# Altium PCB micro thermometer.PcbDoc
Units mil, origin at the board's own origin, x right, y up, seen from the top; angles counter-clockwise.
Board outline 1495 x 470 mil, 2 copper layers (Top Layer, Bottom Layer); 28 components, 24 nets, 133 pads, 28 vias.
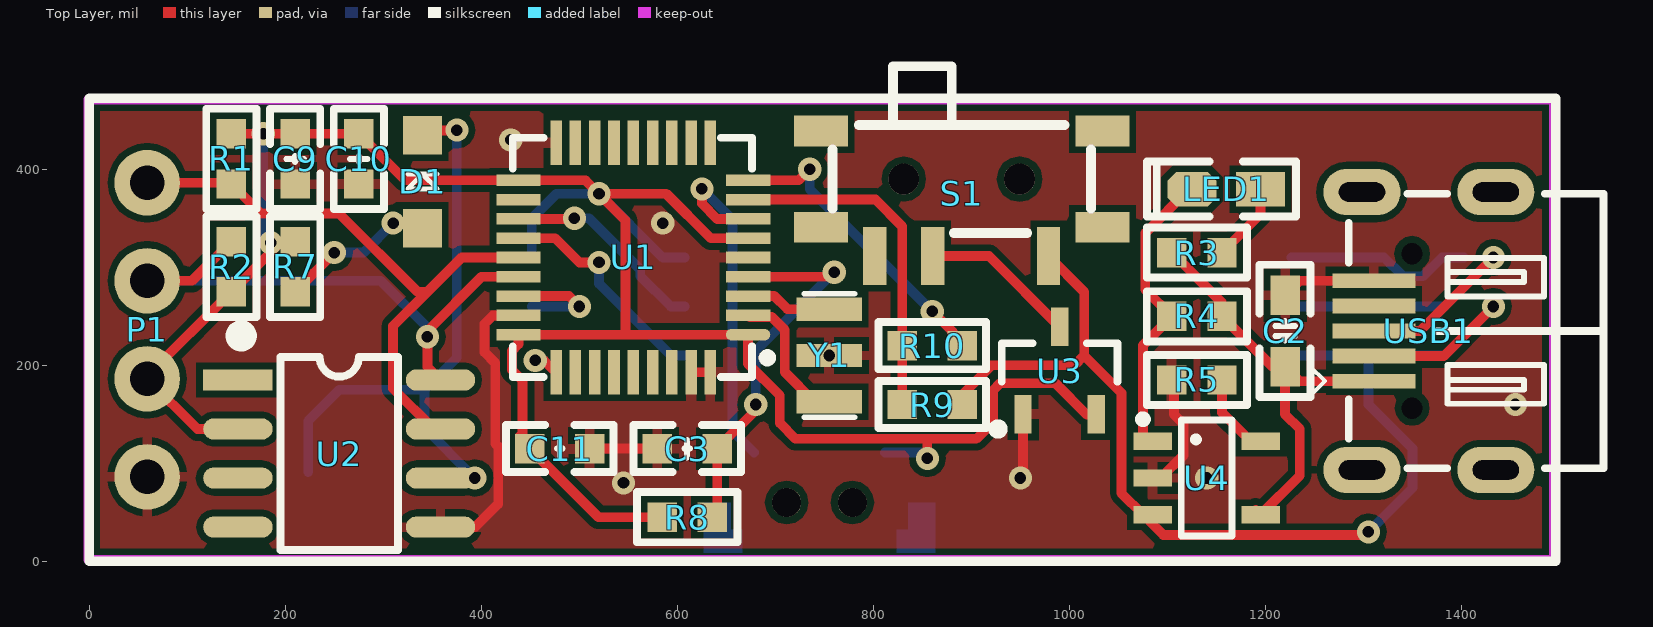
[diagram p0: Top Layer view]
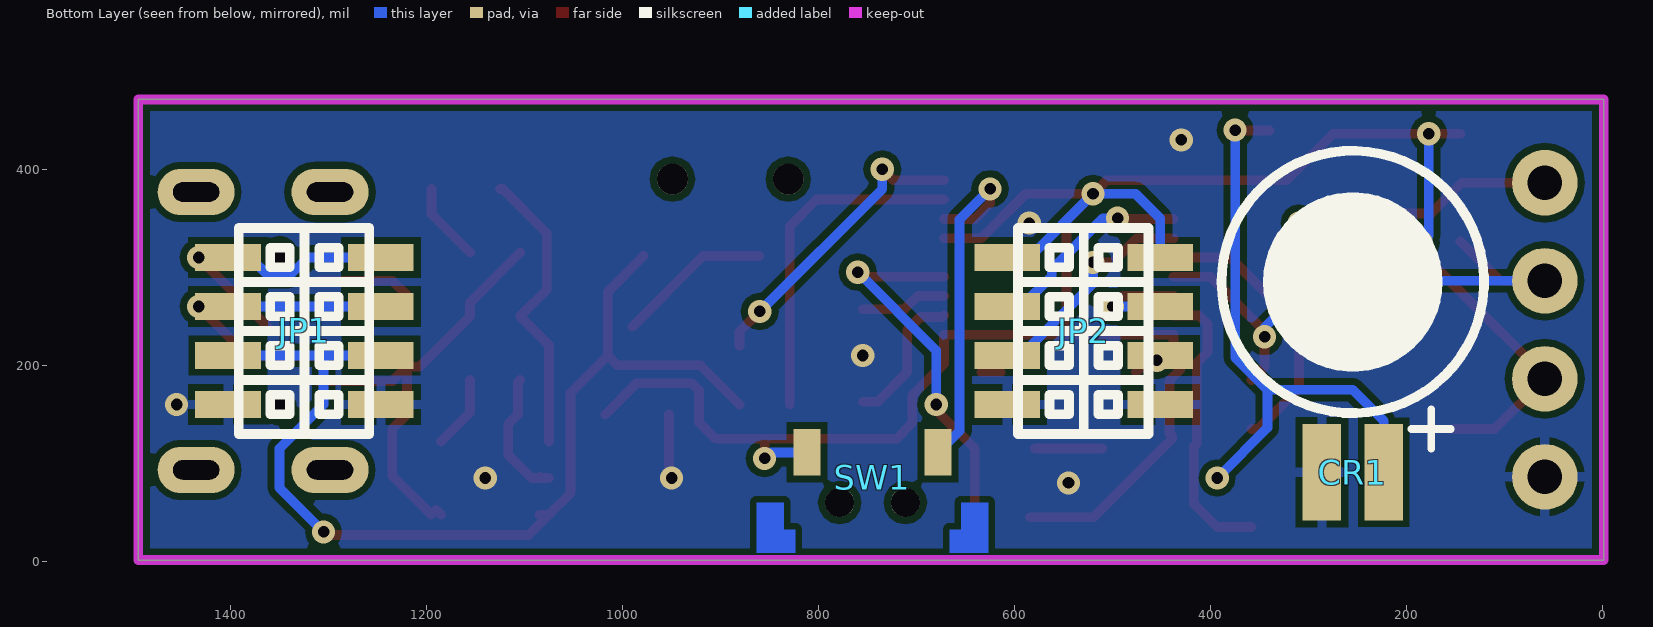
[diagram p1: Bottom Layer view, seen from below]

## Layer stack, top to bottom
Top Solder: solder mask 0.4, Solder Resist, Dk 3.5
Top Layer: signal copper 1.4
Dielectric 1: dielectric 12.6, FR-4, Dk 4.8
Bottom Layer: signal copper 1.4
Bottom Solder: solder mask 0.4, Solder Resist, Dk 3.5

## Board outline
-0.94,1.22 1494.06,1.22 1494.06,471.22 -0.94,471.22

## Design rules (kind name [scope] priority, off if disabled: settings)
Clearance [All] p1: gap=7
PlaneConnect [All] p1: planeconnectstyle=Relief reliefexpansion=20 reliefentries=4 reliefconductorwidth=10 reliefairgap=7
PolygonConnect PolygonConnect_2 [(InPadClass('All Pads')) vs IsNamedPolygon('Bottom Layer-No Net')] p1: connectstyle=Relief reliefconductorwidth=10 reliefentries=4 polygonreliefangle="90 Angle" airgapwidth=7
PolygonConnect PolygonConnect_1 [All vs IsNamedPolygon('Bottom Layer-No Net')] p2: connectstyle=Direct reliefconductorwidth=10 reliefentries=4 polygonreliefangle="90 Angle" airgapwidth=10
PolygonConnect [All] p3: connectstyle=Relief reliefconductorwidth=10 reliefentries=4 polygonreliefangle="90 Angle" airgapwidth=7
RoutingVias [All] p1: holewidth=28 width=50 viastyle="Through Hole" minholewidth=28 minwidth=50 maxholewidth=28 maxwidth=50
SolderMaskExpansion [All] p1: expansion=4
UnpouredPolygon [All] p1: allowunpoured=FALSE
Width [All] p1: maxlimit=10 minlimit=10 preferedwidth=10
28 further rules are at their usual default settings.

## Components (designator, comment, footprint, x,y, rotation, side; value= is the part's Value field where it differs from the comment)
C2 "104" "C 0603_M" 1220,235 r270 top
C3 "1uf" "C 0603_L"#1 610,115 r0 top
C9 "0.1uf" "C 0603_L"#2 210,410.59 r90 top
C10 "10uf" "C 0603_L"#2 275,410.59 r90 top
C11 "0.1uf" "C 0603_L"#1 480,115 r180 top
CR1 "1220" ML621FE 255,285 r90 bottom
D1 "1N4148" SOD-323 340,340 r90 top
JP1 "Header 4X2" HDR1.27-LS-2x4P 1325,235 r270 bottom
JP2 "Header 4X2" HDR1.27-LS-2x4P 530,235 r270 bottom
LED1 "红色" "LED 0603R" 1160,380 r180 top
P1 "0.87 oled" "0.87 oled" 59.06,86.22 r0 top
R1 "4K7" "R 0603_L"#1 145,410.59 r90 top
R2 "4K7" "R 0603_L"#1 145,300.59 r270 top
R3 "1K" "R 0603_L"#1 1130,315 r180 top
R4 "10K" "R 0603_L"#1 1130,250 r0 top
R5 "10K" "R 0603_L"#1 1130,185 r180 top
R7 "4K7" "R 0603_L"#1 210,300.59 r90 top
R8 "10K" "R 0603_L"#1 610,45 r180 top
R9 "30K" "R 0603_L"#2 860,160 r0 top
R10 "30K" "R 0603_L"#2 860,220 r180 top
S1 "SS-12F23" MSK-12C01-07 890,390 r180 top
SW1 "2x4x3.5" "SW 2*4*3.5 SMD" 745,60 r0 bottom
U1 "STM32F103T8" "VFQFN36 - 6*6" 555,310 r90 top
U2 "DS3231M+" SOP8_N 255,110 r0 top
U3 "XC6206" SOT23-3L 990,195 r0 top
U4 "LTC4054" SOT23-5L 1140,85 r270 top
USB1 "USB-5P" USB-MICRO_D 1435,235 r90 top
Y1 "CSTCE" CSTCE 755,210 r270 top

## Footprints (in the part's own frame and the unit in brackets; to place one, negate y for a bottom-side part, rotate by r counter-clockwise, add the part's x,y. Pads: shape width x height; smd on the part's side, far side on the other; paste and mask are expansions set on the pad)
"0.87 oled" [mm]
  round 1.7 hole 0.9: 1(0,0) 2(0,2.54) 3(0,5.08) 4(0,7.62)
  silkscreen extent -1.5,-2.19 36.5,9.81
"C 0603_L"#1 [mil] "无极性贴片电容"
  rect 30x30 smd: 1(-30.59,0) 2(30.59,0)
  silkscreen extent -55,-24 55,24, body extent -31,-16 31,16, height 32
"C 0603_L"#2 [mil] "无极性贴片电容"
  rect 30x30 smd: 1(-25.59,0) 2(25.59,0)
  silkscreen extent -51,-26 51,26, body extent -31,-16 31,16, height 32
"C 0603_M" [mil] "无极性贴片电容"
  rect 40x30 smd: 1(-36.5,0) 2(36.5,0)
  silkscreen extent -67,-26 68,26, body extent -31,-16 31,16, height 32
CSTCE [mm] "3脚晶振"
  rect 0.6x1.7 smd: 1(-1.2,0) 2(0,0) 3(1.2,0)
  silkscreen extent -1.6,-0.65 1.6,0.65
HDR1.27-LS-2x4P [mm] "双排贴片排针，脚距：1.27mm"
  rect 0.7x1.7 smd: 1(-1.905,1.994) 2(-1.905,-1.968) 3(-0.635,1.994) 4(-0.635,-1.968) 5(0.635,1.994) 6(0.635,-1.968) 7(1.905,1.994) 8(1.905,-1.968)
  silkscreen extent -2.67,-1.69 2.67,1.69, body extent -2.54,-2.74 2.54,2.76, height 4.25
"LED 0603R" [mil] "红色0603LED"
  rect 50x35 smd: 1(-35,0.26)
  oct 50x35 smd: 2(35,0.26)
  silkscreen extent -71,-28 81,28, body extent -31,-16 31,16, height 18
ML621FE [mm] "可充电纽扣电池"
  rect 2.5x1 smd: 1(-4.927,-0.8) 2(-4.927,0.8)
  silkscreen extent -4.32,-3.4 3.4,3.4, body extent -5.5,-3.4 3.4,3.4, height 2.45
MSK-12C01-07 [mm] "6.7*2.8*1.5mm(长宽高）"
  rect 1.4x0.8 smd: 0(-3.65,-1.25) 0(-3.65,1.25) 0(3.65,-1.25) 0(3.65,1.25)
  rect 0.6x1.5 smd: 1(-2.25,1.996) 2(0.75,1.996) 3(2.25,1.996)
  round 0.8 hole 0.8 unplated: " "(-1.5,0) " "(1.5,0)
  silkscreen extent -3.35,-2.92 3.35,1.4, body extent -3.92,-2.9 3.92,2.4, height 1.5
"R 0603_L"#1 [mil] "1/10W贴片电阻"
  rect 30x30 smd: 1(-25.59,0) 2(25.59,0)
  silkscreen extent -51,-26 51,26, body extent -31,-16 32,16, height 16
"R 0603_L"#2 [mil] "1/10W贴片电阻"
  rect 30x30 smd: 1(-30.59,0) 2(30.59,0)
  silkscreen extent -55,-24 55,24, body extent -31,-16 32,16, height 16
SOD-323 [mm]
  rect 1x1 smd: 1(0,0) 2(2.404,0)
  silkscreen extent 1.02,-0.38 1.4,0.38
SOP8_N [mm] "5*6*1.8mm（长宽高）"
  rect 1.8x0.55 smd: 1(-2.625,1.905)
  oval 1.8x0.55 smd: 2(-2.625,0.635) 3(-2.625,-0.635) 4(-2.625,-1.905) 5(2.625,-1.905) 6(2.625,-0.635) 7(2.625,0.635) 8(2.625,1.905)
  silkscreen extent -2.69,-2.5 1.52,3.2, body extent -3,-2.5 3,2.5, height 1.9
SOT23-3L [mm] "3x1.3x1mm(长宽高)"
  rect 0.45x1 smd: 1(-0.95,-1.143) 2(0.95,-1.143) 3(0,1.125)
  silkscreen extent -1.72,-1.65 1.5,0.7, body extent -1.5,-1.2 1.5,1.2, height 1.05
SOT23-5L [mm] "3x1.6x1.1mm(长宽高)"
  rect 0.45x1 smd: 1(-0.95,-1.4) 2(0,-1.4) 3(0.95,-1.4) 4(0.95,1.4) 5(-0.95,1.4)
  silkscreen extent -1.6,-1.73 1.5,0.66, body extent -1.5,-1.4 1.5,1.4, height 1.15
"SW 2*4*3.5 SMD" [mm] "2x4x3.5轻触开关SMD侧按键"
  round 0.75 hole 0.75: 0(-0.85,0) 0(0.85,0)
  rect 0.7x1.2 smd: 1(-1.7,-1.3) 2(1.7,-1.3)
  Top Layer region: -3,1.3 -3,0 -2.3,0 -2.3,0.7 -2,0.7 -2,1.3
  Top Layer region: 3,1.3 3,0 2.3,0 2.3,0.7 2,0.7 2,1.3
USB-MICRO_D [mm] "micro型USB ，6.7*7.5*2.5mm"
  oval 1.2x2 hole 0.5 slot 1.2 at 90 deg: 0(-3.6,0) 0(-3.6,3.47) 0(3.6,0) 0(3.6,3.47)
  round 0 hole 0.55 unplated: 0(-2,2.17) 0(2,2.17)
  rect 0.381x2.15 smd: 1(-1.3,3.16) 2(-0.65,3.16) 3(0,3.16) 4(0.65,3.16) 5(1.3,3.16)
  silkscreen extent -3.56,-2.79 3.56,4.81, body extent -3.99,-2.75 3.99,3.95, height 2.79
"VFQFN36 - 6*6" [mm]
  oval 0.3x1.15 smd: 1(-2,-2.975)
  rect 0.3x1.15 smd: 2(-1.5,-2.975) 3(-1,-2.975) 4(-0.5,-2.975) 5(0,-2.975) 6(0.5,-2.975) 7(1,-2.975) 8(1.5,-2.975) 9(2,-2.975) 19(2,2.975) 20(1.5,2.975) 21(1,2.975) 22(0.5,2.975) 23(0,2.975) 24(-0.5,2.975) 25(-1,2.975) 26(-1.5,2.975) 27(-2,2.975)
  rect 1.15x0.3 smd: 10(2.975,-2) 11(2.975,-1.5) 12(2.975,-1) 13(2.975,-0.5) 14(2.975,0) 15(2.975,0.5) 16(2.975,1) 17(2.975,1.5) 18(2.975,2) 28(-2.975,2) 29(-2.975,1.5) 30(-2.975,1) 31(-2.975,0.5) 32(-2.975,0) 33(-2.975,-0.5) 34(-2.975,-1) 35(-2.975,-1.5) 36(-2.975,-2)
  silkscreen extent -3.1,-3.57 3.1,3.13

## Part data
C2 C3 C9 C10 C11: library part C, "无极性贴片电容"
CR1: library part CR-3V, "微型电池"
D1: "高速开关二极管"
JP1 JP2: "4*2P接插件"
LED1: library part LED-SMD, "贴片LED"
R1 R2 R3 R4 R5 R7 R8 R9 R10: library part R, "贴片电阻"
S1: library part SSW-1P, "1路波动开关"
SW1: library part "SW 2x4", "2x4x3.5轻触开关SMD侧按键"
U3: "3-Terminal Positive Voltage Regulator"
U4: "独立线性锂电池充电器"
USB1: "微型USB母座"
Y1: "晶振"

## Via types
v1: diameter 23.62, hole 11.81, Top Layer to Bottom Layer, tented both sides, 28 vias

## Nets (pads, with @x,y where several pads share a name; then routed paths per layer and width w, separated by ;. In a path a pad name is that pad's centre, name@x,y a point inside that pad or via, vN(x,y) a via of type N, cw(c..) or ccw(c..) an arc to the next point about the centre after c; other vN are vias at no path point)
5V: C2.2 R3.2 R4.2 U4.4 USB1.1 | length 449.3
  Top Layer w10: R3.2 1155.59,263.83 R4.2 1207.08,198.5 C2.2 ; U4.4@1185.12,47.6 U4.4@1190.12,52.6 ; U4.4 1235,87.48 1235,135 1220,150 C2.2 ; USB1.1 1234.68,183.82 C2.2
32RXD: JP2.6 U1.22 | length 231.9
  Top Layer w10: U1.22 475.32,329.68 500,305 v1(520,305)
  Bottom Layer w10: v1(520,305) 520,283.28 593.28,210 JP2.6
32TXD: JP2.4 U1.21 | length 211.1
  Top Layer w10: U1.21 494.37,349.37 v1(495,350)
  Bottom Layer w10: v1(495,350) 510,350 562.03,297.97 562.03,291.25 593.28,260 JP2.4
BAT: JP1.5 JP1.6 R9.2 S1.1 U4.3 | length 1082.2
  Top Layer w10: R9.2@880.59,160 920.59,200 1005,200 1015,210 ; S1.1 1015,275 1015,210 ; U4.3 U4.3@1074.88,47.6 ; v1(1305,30) 1301.74,26.74 1095.74,26.74 U4.3@1074.88,47.6 ; 1015,210 1053.2,171.8 1053.2,69.37 1074.88,47.68 U4.3@1074.88,47.6
  Bottom Layer w10: JP1.5@1226.5,210 1305,210 ; v1(1305,30) 1350,75 1350,115 1305,160 1305,210 ; JP1.6@1382.49,210 1305,210
BAT_CHK: R9.1 R10.2 U1.8 | length 350.3
  Top Layer w10: U1.8 802.09,369.05 829.41,341.73 R10.2 R9.1
BAT_LEAK: R10.1 U1.9 | length 307.8
  Top Layer w10: U1.9 723.74,388.74 v1(735,400) ; v1(860,255) 880.59,234.41 R10.1@880.59,220
  Bottom Layer w10: v1(735,400) 735,380 v1(860,255)
CLK: JP2.5 U1.28 | length 26.3
  Top Layer w10: v1(455,205) 464.13,205 U1.28
D+: JP1.1 JP1.2 USB1.3 | length 344.8
  Top Layer w10: USB1.3 1357.49,235 v1(1432.49,310)
  Bottom Layer w10: JP1.1@1226.5,310 JP1.1 1321.03,310 1340.11,290.91 1360.91,290.91 1380,310 JP1.2
D-: JP1.3 JP1.4 USB1.2 | length 298.8
  Top Layer w10: USB1.2 1381.9,209.41 v1(1432.49,260)
  Bottom Layer w10: JP1.3@1226.5,260 JP1.4@1382.49,260
DIO: JP2.3 U1.25 | length 115
  Top Layer w10: U1.25 489.37,270.63 v1(500,260)
  Bottom Layer w10: JP2.3 v1(500,260)
GND: C2.1 C3.1 C9.1 C10.1 C11.1 CR1.2 JP1.7 JP1.8 JP2.7 JP2.8 P1.1 R5.2 U1.5 U1.18 U1.26 U1.35 U1.36 U2.5 U3.1 U4.2 USB1.5 Y1.2 | length 679.9
  Top Layer w10: U2.5 393.67,35 417.16,58.48 417.16,117.03 414.19,120 414.19,202.4 403.24,213.35 403.24,242.14 412.05,250.94 U1.26 ; C11.1 C3.1 ; U1.35 U1.36 ; v1(950,85) 952.6,87.6 U3.1 ; U4.2@1074.88,85 1082.99,85 U4.2@1083.94,85.94 ; U4.2 1092.99,85 1116.57,108.57 1116.57,140 1106.57,150 1106.57,182.85 R5.2 ; C2.1 1234.68,286.18 USB1.5
  other v1: 545,80 1140,85 1455,160 755,210 585,345 430,430
NetCR1_1: CR1.1 D1.2 U2.6 | length 609.1
  Top Layer w10: D1.2@340,439.65 374.65,439.65 v1(375,440)
  Bottom Layer w10: CR1.1 223.5,143.5 255,175 342.02,175 ; v1(375,440) 375,207.98 342.02,175 ; v1(393.35,85) 391.67,86.67 342.02,136.33 342.02,152.98 342.02,175
NetD1_1: D1.1 R7.1 | length 129
  Top Layer w10: R7.1 v1(250,315)
  Bottom Layer w10: v1(250,315) 280,315 v1(310,345)
NetLED1_1: LED1.1 R3.1 | length 81.1
  Top Layer w10: R3.1 1195,354.4 LED1.1
NetLED1_2: LED1.2 R4.1 U4.1 | length 302.1
  Top Layer w10: U4.1@1074.88,122.4 1074.88,220.47 R4.1 1077.41,276.99 1077.41,334.97 1122.18,379.74 LED1.2
NetR5_1: R5.1 U4.5 | length 74.8
  Top Layer w10: R5.1 1155.59,151.93 U4.5@1185.12,122.4
NetS1_2: S1.2 U3.3 | length 159.4
  Top Layer w10: S1.2 917.87,311.42 U3.3
NetSW1_1: SW1.1 U1.7 | length 359.4
  Top Layer w10: v1(625,380) 625,365 640.63,349.37 U1.7
  Bottom Layer w10: v1(625,380) 656.19,348.81 656.19,133.06 SW1.1
NetU1_2: U1.2 Y1.3 | length 144.4
  Top Layer w10: U1.2 673.91,249.17 696.27,249.17 709.54,235.9 709.54,193.22 740,162.76 Y1.3
NetU1_3: U1.3 Y1.1 | length 88.4
  Top Layer w10: U1.3 698.85,270.63 712.24,257.24 Y1.1
RST: C3.2 R8.1 U1.4 | length 391.3
  Top Layer w10: R8.1 640.59,50 C3.2 680,154.41 v1(680,160) ; U1.4 755.31,290.31 v1(760,295)
  Bottom Layer w10: v1(680,160) 680,215 v1(760,295)
SCL: P1.3 R2.1 U1.24 U2.8 | length 588.8
  Top Layer w10: P1.3 105.03,286.22 R2.1 ; U2.8 345,198.35 v1(345,229.17) 345,235 400.31,290.31 U1.24
  Bottom Layer w10: P1.3 297.13,286.22 345,238.35 v1(345,229.17)
SDA: P1.4 R1.1 U1.23 U2.7 | length 617.9
  Top Layer w10: P1.4 143.78,386.22 R1.1 175,355 255,355 335,275 345,275 ; U2.7 351.46,135 310,176.46 310,240 345,275 ; U1.23 380,310 345,275
VCC: C9.2 C10.2 C11.2 JP2.1 JP2.2 P1.2 R1.2 R2.2 R7.2 R8.2 SW1.2 U1.1 U1.6 U1.19 U1.27 U2.2 U3.2 | length 2457.3
  Top Layer w10: R1.2 v1(177.5,436.18) C9.2 C10.2 322.44,388.74 U1.19 506.26,388.74 v1(520,375) ; U2.2 110.28,135 P1.2 59.06,189.07 R2.2 R7.2@196.17,326.18 ; R8.2 519.41,45 C11.2 439.41,125 439.41,127.93 442,130.52 442,184.33 431.19,195.14 431.19,214.86 437.87,221.55 U1.27 550,231.26 ; U1.6 633.99,329.68 588.67,375 v1(520,375) ; v1(855,105) 855,125 ; 1017.59,149.81 985.72,181.69 929.14,181.69 921.93,174.47 921.93,141.93 905,125 855,125 ; v1(520,375) 547.09,347.91 547.09,234.17 550,231.26 ; 550,231.26 U1.1 672.13,201.55 704.54,169.14 704.54,140.97 720.51,125 855,125
  Bottom Layer w10: v1(177.5,436.18) 177.5,332.5 v1(185,325) ; JP2.1 451.5,350 476.5,375 v1(520,375) 585,310 JP2.2 ; SW1.2 848.82,111.18 v1(855,105)
pads on no net: "S1. " S1.0 S1.3 SW1.0 U1.10 U1.11 U1.12 U1.13 U1.14 U1.15 U1.16 U1.17 U1.20 U1.29 U1.30 U1.31 U1.32 U1.33 U1.34 U2.1 U2.3 U2.4 USB1.0 USB1.4

## Polygon pours and split planes (outlines as drawn)
GND on Bottom Layer "Bottom Layer-No Net" (solid, remove dead copper, pour order 2): -0.94,471.22 -0.94,1.22 1494.06,1.22 1494.06,471.22
GND on Top Layer "Bottom Layer-No Net" (solid, remove dead copper, pour order 4): 1494.06,1.22 1494.06,471.22 0,471.22 0,2.17 -0.94,1.22

## Keep-outs
Keep-Out Layer:
  the board outline again, w10

## Silkscreen, mask and mechanical layers (free items; w line width, h text height)
Bottom Solder:
  text "C" at 1110,250 h200
  text "Vanilla Lab" at 1135,165 h60
  text "OC712" at 1090,120 h60
  text "2019.9.1" at 1245,20 h40
Drill Drawing:
  text ".Legend" at 1725,690 h60